# KiCad board q2v2.kicad_pcb (continued)
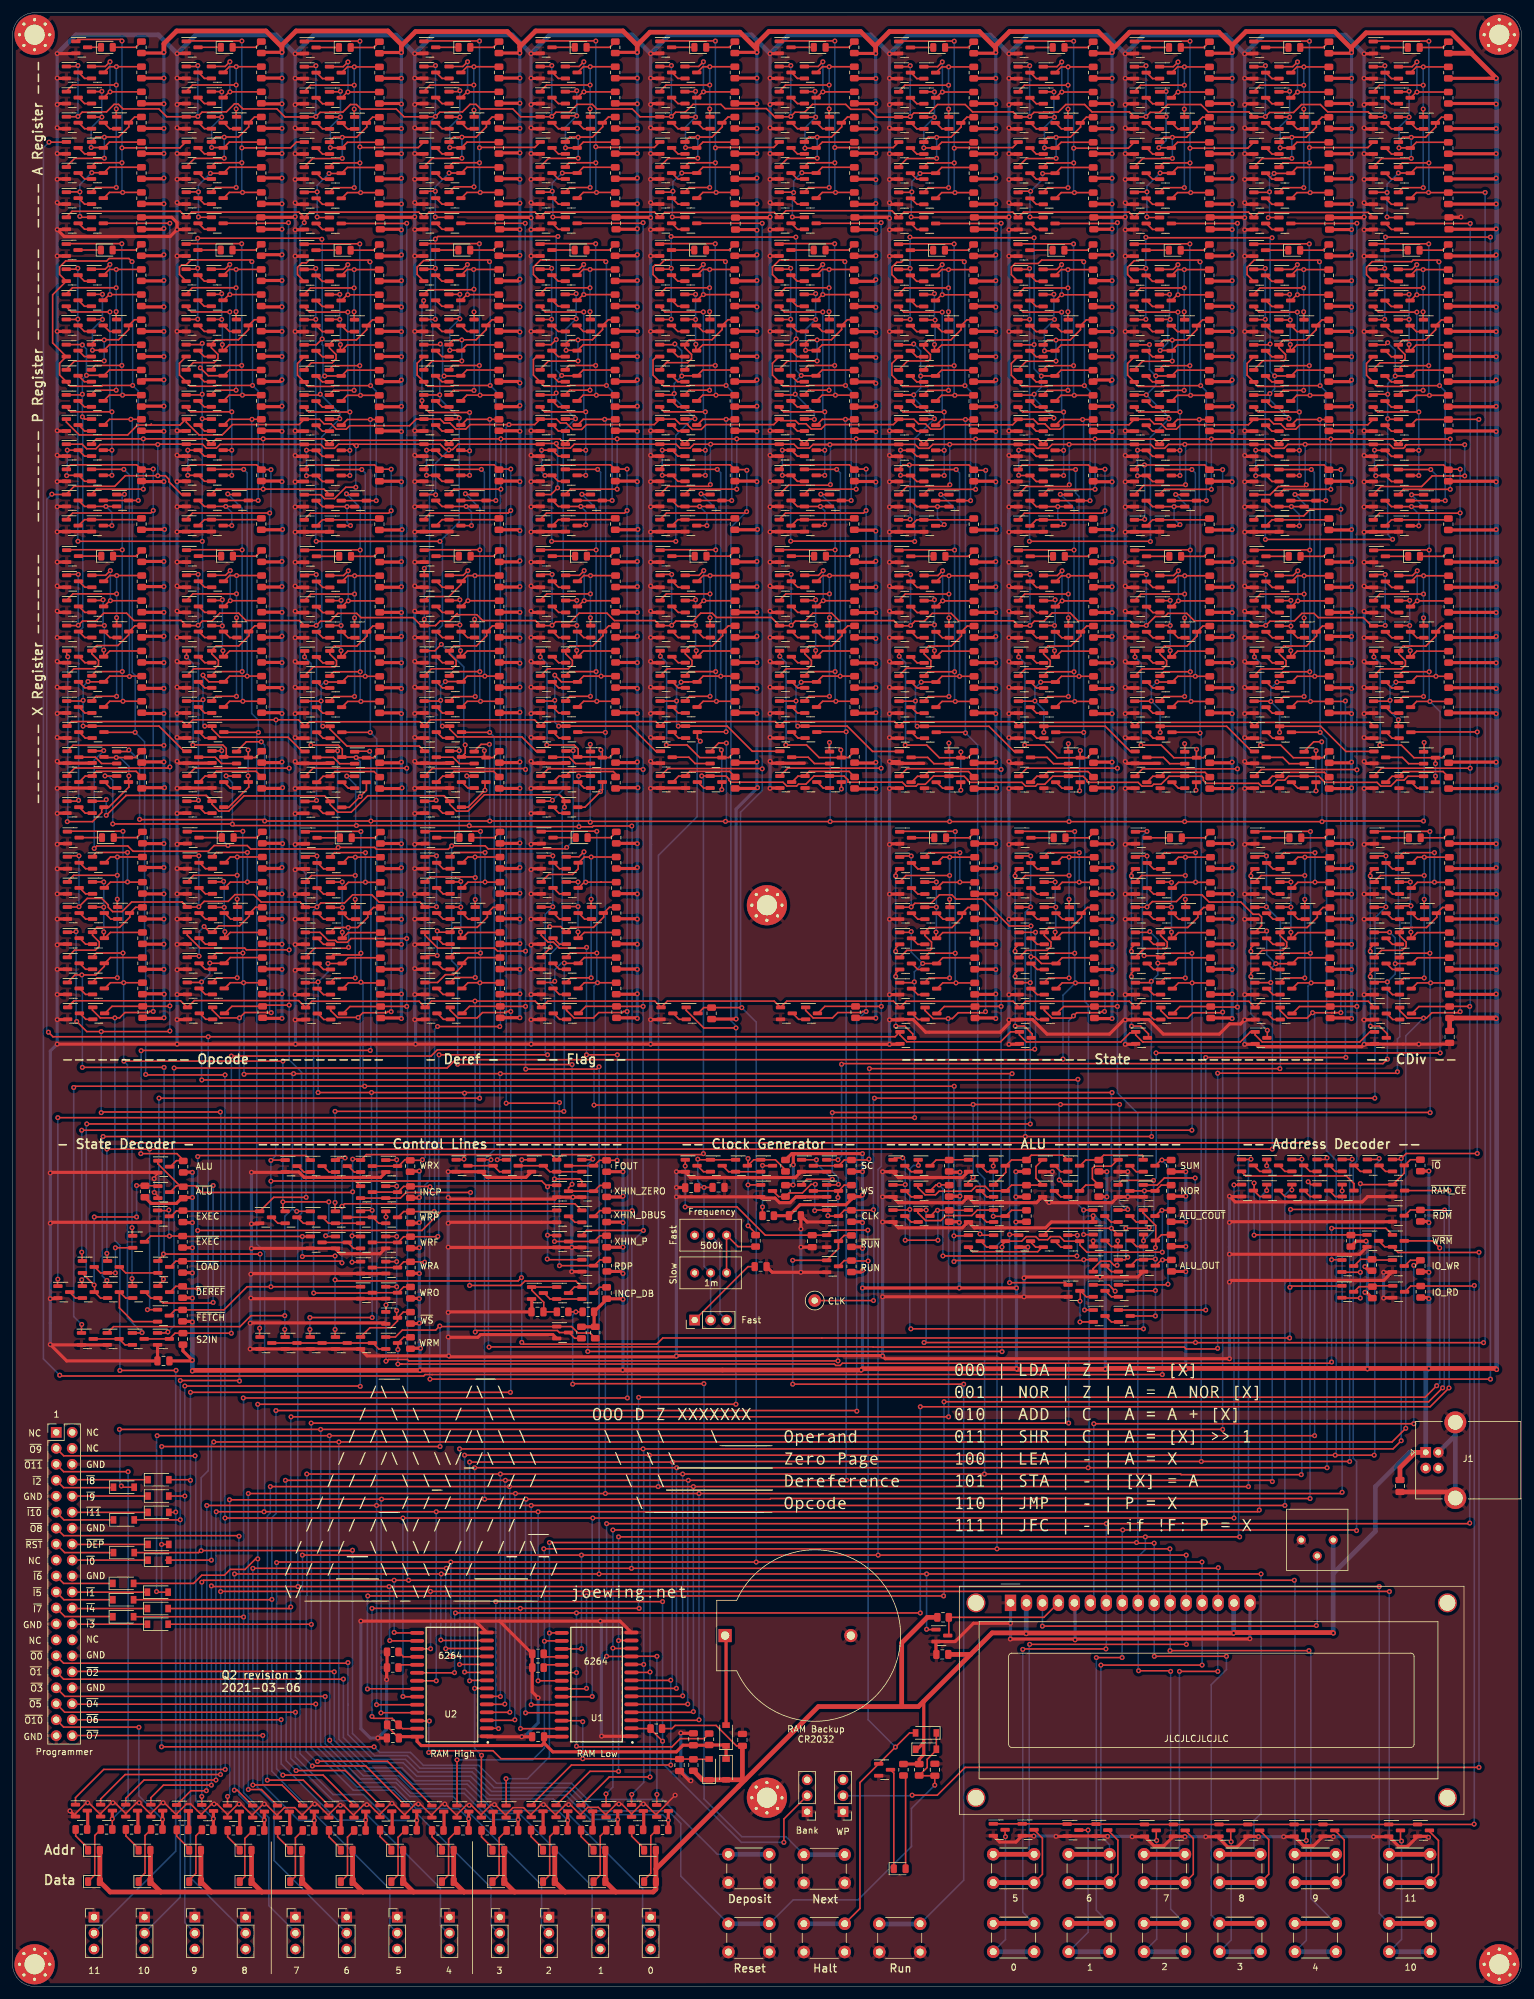
[diagram p0: board, top side]
## Routing (per net, layer and track width the routed paths; a pad name or vN(x,y) marks a point on that pad's centre or on a via; arc(x,y) is an arc through that point) (continued)
  Top w0.25: 143,195.55 145.57,195.55 146.57,194.55 ; 146.54,194.55 148.9,194.55
Net-(Q271-Pad3): length 11
  Top w0.25: 143,191.6 143.95,192.55 145,192.55 145.75,193.29 152.06,193.29 R113.2
Net-(Q275-Pad1): length 39.6
  Top w0.25: v1(148.95,221.54) 142,221.54 140.95,220.49 ; R118.2 v1(148.96,224.45) 147.86,224.45 146.95,223.54 ; 144.95,204.49 145.7,205.24 v1(148.95,205.24) ; v1(148.95,217.74) 148.95,216.49
  Bottom w0.25: v1(148.96,224.45) 148.95,224.44 v1(148.95,221.54) v1(148.95,217.74) v1(148.95,205.24)
Net-(Q275-Pad2): length 2.4
  Top w0.25: 142.95,203.54 143.9,202.59 144.95,202.59
Net-(Q276-Pad1): length 18.8
  Top w0.25: 146.95,211.54 147.86,212.45 R120.2 ; v1(146.65,212.54) 146.65,211.77 Q287.3 ; Q276.1 146.51,220.49 v1(146.65,220.63) ; v1(146.65,216.63) 145.15,216.63
  Bottom w0.25: v1(146.65,220.63) v1(146.65,216.63) v1(146.65,212.54)
Net-(Q276-Pad2): length 2.4
  Top w0.25: 142.95,219.54 143.9,218.59 144.95,218.59
Net-(Q276-Pad3): length 14.5
  Top w0.25: 144.95,224.49 147.2,224.49 v1(147.95,225.24) ; 146.95,219.54 147.86,220.45 v1(147.96,220.45) R115.2
  Bottom w0.25: v1(147.96,220.45) 147.95,220.46 v1(147.95,225.24)
Net-(Q280-Pad2): length 2.4
  Top w0.25: 144.95,206.59 143.9,206.59 142.95,207.54
Net-(Q281-Pad2): length 2.4
  Top w0.25: 144.95,222.59 143.9,222.59 142.95,223.54
Net-(Q282-Pad1): length 18.8
  Top w0.25: 147.08,213.26 145.73,213.26 144.95,212.49 ; 147.08,213.26 149.32,213.26 150.95,214.89 150.95,215.54 151.86,216.45 R119.2 ; 147.08,213.26 147.05,213.24 ; 140.95,208.49 142.19,209.73 145.95,209.73 146.08,209.85 146.08,210.94 145.01,212 Q287.1
Net-(Q284-Pad2): length 2.4
  Top w0.25: 146.95,215.54 147.9,214.59 148.95,214.59
Net-(Q285-Pad2): length 2.4
  Top w0.25: 142.95,215.54 143.9,214.59 144.95,214.59
Net-(Q287-Pad2): length 2.4
  Top w0.25: 142.95,211.54 143.9,210.59 144.95,210.59
Net-(Q289-Pad1): length 39.6
  Top w0.25: 145.06,159.71 145.81,160.46 v1(149.06,160.46) ; v1(149.06,172.96) 149.06,171.71 ; 141.06,175.71 142.11,176.76 v1(149.06,176.76) ; R125.2 v1(149.07,179.67) 147.97,179.67 147.06,178.76
  Bottom w0.25: v1(149.07,179.67) 149.06,179.66 v1(149.06,176.76) v1(149.06,172.96) v1(149.06,160.46)
Net-(Q289-Pad2): length 2.4
  Top w0.25: 145.06,157.81 144.01,157.81 143.06,158.76
Net-(Q290-Pad1): length 18.9
  Top w0.25: 147.06,166.76 147.97,167.67 R127.2 ; Q290.1 146.93,175.71 v1(146.95,175.73) ; v1(146.95,171.73) 145.14,171.73 ; v1(146.9,167.76) 146.9,166.85
  Bottom w0.25: v1(146.95,175.73) v1(146.95,171.73) 146.95,167.81 v1(146.9,167.76)
Net-(Q290-Pad2): length 2.4
  Top w0.25: 143.06,174.76 144.01,173.81 145.06,173.81
Net-(Q290-Pad3): length 17.1
  Top w0.25: 150.67,175.67 150.67,175.68 v1(150.69,175.7) 150.66,175.7 150.63,175.67 ; 150.67,175.67 R122.2 ; 150.67,175.67 150.63,175.67 ; 147.06,174.76 147.97,175.67 150.63,175.67 ; v1(150.69,180.39) 145.75,180.39 145.06,179.71
  Bottom w0.25: v1(150.69,175.7) v1(150.69,180.39)
Net-(Q294-Pad2): length 2.4
  Top w0.25: 145.06,161.81 144.01,161.81 143.06,162.76
Net-(Q295-Pad2): length 2.4
  Top w0.25: 143.06,178.76 144.01,177.81 145.06,177.81
Net-(Q296-Pad1): length 18.7
  Top w0.25: 145.06,167.71 145.84,168.48 149.44,168.48 151.06,170.11 151.06,170.76 151.97,171.67 R126.2 ; Q296.1 142.26,164.84 145.97,164.84 146.19,165.06 146.19,166.16 145.12,167.22 Q301.1
Net-(Q298-Pad2): length 2.4
  Top w0.25: 149.06,169.81 148.01,169.81 147.06,170.76
Net-(Q299-Pad2): length 2.4
  Top w0.25: 143.06,170.76 144.01,169.81 145.06,169.81
Net-(Q301-Pad2): length 2.4
  Top w0.25: 143.06,166.76 144.01,165.81 145.06,165.81
Net-(Q305-Pad2): length 6.4
  Top w0.25: 112.95,130.58 113.9,129.63 118.95,129.63
Net-(Q305-Pad3): length 22.4
  Top w0.25: 118.2,119.83 v1(117,121.03) ; v1(117,131.73) 117,130.63 ; Q306.1 121.35,131.53 122.95,129.92 ; 118.95,131.53 117.9,131.53 116.95,130.58 ; v1(117,127.53) 118.95,127.53
  Bottom w0.25: v1(117,121.03) v1(117,127.53) v1(117,131.73)
Net-(Q306-Pad3): length 9.6
  Top w0.25: Q306.3 119.35,130.58 v1(119.3,130.63) ; v1(119.3,124.03) 119.29,124.01 R134.2
  Bottom w0.25: v1(119.3,130.63) v1(119.3,124.03)
Net-(Q307-Pad3): length 14.1
  Top w0.25: v1(127.6,123.43) 127.7,123.53 129.45,123.53 ; 120.95,126.58 121.86,125.66 R131.2 123.54,126.25 125.65,126.25 127.02,127.63 v1(127.7,127.63)
  Bottom w0.25: v1(127.6,123.43) 127.6,127.53 v1(127.7,127.63)
Net-(Q309-Pad2): length 2.4
  Top w0.25: 110.95,129.63 109.9,129.63 108.95,130.58
Net-(Q316-Pad2): length 2.4
  Top w0.25: 48.55,154.8 49.5,153.85 50.55,153.85
Net-(Q318-Pad2): length 2.4
  Top w0.25: 48.35,248.4 49.3,247.45 50.35,247.45
Net-(Q320-Pad2): length 12
  Top w0.25: 48.35,244.4 49.3,243.45 50.35,243.45 ; 48.35,240.4 49.3,239.45 50.35,239.45 ; Q325.3 46.8,240.4 v1(46.75,240.35) ; Q324.3 46.78,244.4 v1(46.75,244.43)
  Bottom w0.25: v1(46.75,240.35) v1(46.75,244.43)
Net-(Q322-Pad2): length 11
  Top w0.25: 48.35,236.4 49.3,235.45 v1(53.2,235.45) 54.35,235.45 ; v1(53.75,232.43) 52.38,232.43
  Bottom w0.25: v1(53.75,232.43) 53.2,232.98 v1(53.2,235.45)
Net-(Q327-Pad1): length 10.2
  Top w0.25: 48.35,232.4 49.3,233.35 58.14,233.35
Net-(Q329-Pad1): length 39.6
  Top w0.25: 52.33,272.24 53.24,273.15 v1(54.34,273.15) R146.2 ; v1(54.33,253.94) 51.08,253.94 50.33,253.19 ; v1(54.33,266.44) 54.33,265.19 ; 46.33,269.19 47.38,270.24 v1(54.33,270.24)
  Bottom w0.25: v1(54.33,253.94) v1(54.33,266.44) v1(54.33,270.24) 54.33,273.14 v1(54.34,273.15)
Net-(Q329-Pad2): length 2.4
  Top w0.25: 48.33,252.24 49.28,251.29 50.33,251.29
Net-(Q330-Pad1): length 18.6
  Top w0.25: 52.33,260.24 53.24,261.15 R148.2 ; v1(52.05,265.23) 50.43,265.23 ; v1(52.05,269.23) 52.02,269.19 Q330.1 ; v1(52.15,261.23) 52.15,260.36
  Bottom w0.25: v1(52.15,261.23) 52.15,265.13 v1(52.05,265.23) v1(52.05,269.23)
Net-(Q330-Pad2): length 2.4
  Top w0.25: 48.33,268.24 49.28,267.29 50.33,267.29
Net-(Q330-Pad3): length 14.5
  Top w0.25: 52.33,268.24 53.24,269.15 v1(53.34,269.15) R143.2 ; v1(53.33,273.94) 52.58,273.19 50.33,273.19
  Bottom w0.25: v1(53.33,273.94) 53.33,269.17 v1(53.34,269.15)
Net-(Q334-Pad2): length 2.4
  Top w0.25: 48.33,256.24 49.28,255.29 50.33,255.29
Net-(Q335-Pad2): length 2.4
  Top w0.25: 48.33,272.24 49.28,271.29 50.33,271.29
Net-(Q336-Pad1): length 18.5
  Top w0.25: R147.2 57.24,265.15 56.33,264.24 56.33,263.59 54.7,261.97 51.11,261.97 50.33,261.19 ; Q341.1 50.39,260.71 51.46,259.64 51.46,258.94 50.84,258.33 47.53,258.33 Q336.1
Net-(Q338-Pad2): length 2.4
  Top w0.25: 52.33,264.24 53.28,263.29 54.33,263.29
Net-(Q339-Pad2): length 2.4
  Top w0.25: 48.33,264.24 49.28,263.29 50.33,263.29
Net-(Q341-Pad2): length 2.4
  Top w0.25: 48.33,260.24 49.28,259.29 50.33,259.29
Net-(Q343-Pad2): length 2.4
  Top w0.25: 48.35,280.5 49.3,279.55 50.35,279.55
Net-(Q345-Pad1): length 39.6
  Top w0.25: 52.35,304.5 53.26,305.41 v1(54.36,305.41) R153.2 ; v1(54.35,286.2) 51.1,286.2 50.35,285.45 ; v1(54.35,298.7) 54.35,297.45 ; 46.35,301.45 47.4,302.5 v1(54.35,302.5)
  Bottom w0.25: v1(54.35,286.2) v1(54.35,298.7) v1(54.35,302.5) 54.35,305.4 v1(54.36,305.41)
Net-(Q345-Pad2): length 2.4
  Top w0.25: 48.35,284.5 49.3,283.55 50.35,283.55
Net-(Q346-Pad1): length 21.2
  Top w0.25: 52.35,292.5 53.26,293.41 R155.2 ; v1(52.15,297.43) 50.43,297.43 ; Q346.1 52.07,301.45 v1(52.15,301.53) ; v1(50.55,292.55) 52.24,292.55
  Bottom w0.25: v1(52.15,301.53) v1(52.15,297.43) 50.55,295.83 v1(50.55,292.55)
Net-(Q346-Pad2): length 2.4
  Top w0.25: 48.35,300.5 49.3,299.55 50.35,299.55
Net-(Q346-Pad3): length 14.5
  Top w0.25: 52.35,300.5 53.26,301.41 v1(53.36,301.41) R150.2 ; v1(53.35,306.2) 52.6,305.45 50.35,305.45
  Bottom w0.25: v1(53.35,306.2) 53.35,301.42 v1(53.36,301.41)
Net-(Q350-Pad2): length 2.4
  Top w0.25: 48.35,288.5 49.3,287.55 50.35,287.55
Net-(Q351-Pad2): length 2.4
  Top w0.25: 48.35,304.5 49.3,303.55 50.35,303.55
Net-(Q352-Pad1): length 20.1
  Top w0.25: R154.2 57.26,297.41 56.35,296.5 56.35,295.85 54.72,294.22 52.48,294.22 ; 50.35,293.45 51.13,294.22 52.48,294.22 ; 52.48,294.22 v1(52.45,294.2) ; 46.35,289.45 47.72,290.82 52.41,290.82 v1(52.45,290.86)
  Bottom w0.25: v1(52.45,294.2) v1(52.45,290.86)
Net-(Q354-Pad2): length 2.4
  Top w0.25: 52.35,296.5 53.3,295.55 54.35,295.55
Net-(Q355-Pad2): length 2.4
  Top w0.25: 48.35,296.5 49.3,295.55 50.35,295.55
Net-(Q357-Pad2): length 2.4
  Top w0.25: 48.35,292.5 49.3,291.55 50.35,291.55
Net-(Q359-Pad2): length 2.3
  Top w0.25: 52.45,191.6 53.4,190.65 54.35,190.65
Net-(Q360-Pad2): length 2.4
  Top w0.25: 48.45,199.55 49.4,198.6 50.45,198.6
Net-(Q361-Pad2): length 2.4
  Top w0.25: 48.45,187.6 49.4,186.65 50.45,186.65
Net-(Q362-Pad2): length 6.4
  Top w0.25: 51.99,194.55 54.35,194.55 ; 52.03,194.55 51.03,195.55 48.45,195.55
Net-(Q364-Pad1): length 11
  Top w0.25: 48.45,191.6 49.4,192.55 50.45,192.55 ; Q364.1 51.26,193.29 57.51,193.29 R157.2
Net-(Q369-Pad1): length 39.6
  Top w0.25: 52.4,223.54 53.31,224.45 v1(54.41,224.45) R162.2 ; v1(54.4,205.24) 51.15,205.24 50.4,204.49 ; v1(54.4,217.74) 54.4,216.49 ; 46.4,220.49 47.45,221.54 v1(54.4,221.54)
  Bottom w0.25: v1(54.4,205.24) v1(54.4,217.74) v1(54.4,221.54) 54.4,224.44 v1(54.41,224.45)
Net-(Q369-Pad2): length 2.4
  Top w0.25: 48.4,203.54 49.35,202.59 50.4,202.59
Net-(Q370-Pad1): length 18.8
  Top w0.25: 52.4,211.54 53.31,212.45 R164.2 ; v1(52.25,212.53) 52.25,211.62 ; Q370.1 52.21,220.49 v1(52.25,220.53) ; v1(52.25,216.53) 50.5,216.53
  Bottom w0.25: v1(52.25,212.53) v1(52.25,216.53) v1(52.25,220.53)
Net-(Q370-Pad2): length 2.4
  Top w0.25: 48.4,219.54 49.35,218.59 50.4,218.59
Net-(Q370-Pad3): length 14.5
  Top w0.25: 52.4,219.54 53.31,220.45 v1(53.41,220.45) R159.2 ; v1(53.4,225.24) 52.65,224.49 50.4,224.49
  Bottom w0.25: v1(53.4,225.24) 53.4,220.46 v1(53.41,220.45)
Net-(Q374-Pad2): length 2.4
  Top w0.25: 48.4,207.54 49.35,206.59 50.4,206.59
Net-(Q375-Pad2): length 2.4
  Top w0.25: 48.4,223.54 49.35,222.59 50.4,222.59
Net-(Q376-Pad1): length 18.6
  Top w0.25: R163.2 57.31,216.45 56.4,215.54 56.4,214.89 54.78,213.26 51.18,213.26 50.4,212.49 ; 46.4,208.49 47.87,209.96 51.25,209.96 51.53,210.24 51.53,210.94 50.46,212 Q381.1
Net-(Q378-Pad2): length 2.4
  Top w0.25: 52.4,215.54 53.35,214.59 54.4,214.59
Net-(Q379-Pad2): length 2.4
  Top w0.25: 48.4,215.54 49.35,214.59 50.4,214.59
Net-(Q381-Pad2): length 2.4
  Top w0.25: 48.4,211.54 49.35,210.59 50.4,210.59
Net-(Q383-Pad1): length 39.6
  Top w0.25: 52.51,178.76 53.42,179.67 v1(54.52,179.67) R169.2 ; v1(54.51,160.46) 51.26,160.46 50.51,159.71 ; v1(54.51,172.96) 54.51,171.71 ; 46.51,175.71 47.56,176.76 v1(54.51,176.76)
  Bottom w0.25: v1(54.51,160.46) v1(54.51,172.96) v1(54.51,176.76) 54.51,179.66 v1(54.52,179.67)
Net-(Q383-Pad2): length 2.4
  Top w0.25: 48.51,158.76 49.46,157.81 50.51,157.81
Net-(Q384-Pad1): length 19.1
  Top w0.25: 52.51,166.76 53.42,167.67 R171.2 ; Q384.1 52.43,175.71 v1(52.45,175.73) ; v1(52.45,171.66) 50.62,171.66 ; v1(52.45,167.73) 52.45,166.76
  Bottom w0.25: v1(52.45,175.73) v1(52.45,171.66) v1(52.45,167.73)
Net-(Q384-Pad2): length 2.4
  Top w0.25: 48.51,174.76 49.46,173.81 50.51,173.81
Net-(Q384-Pad3): length 17.1
  Top w0.25: 52.51,174.76 53.42,175.67 56.08,175.67 ; 56.12,175.67 56.12,175.68 v1(56.14,175.7) 56.11,175.7 56.08,175.67 ; 56.12,175.67 R166.2 ; 56.12,175.67 56.08,175.67 ; 50.51,179.71 51.2,180.39 v1(56.14,180.39)
  Bottom w0.25: v1(56.14,175.7) v1(56.14,180.39)
Net-(Q388-Pad2): length 2.4
  Top w0.25: 48.51,162.76 49.46,161.81 50.51,161.81
Net-(Q389-Pad2): length 2.4
  Top w0.25: 48.51,178.76 49.46,177.81 50.51,177.81
Net-(Q390-Pad1): length 20.8
  Top w0.25: R170.2 57.42,171.67 56.51,170.76 56.51,170.11 54.89,168.48 v1(53.39,168.48) 52.64,168.48 ; 50.51,167.71 51.29,168.48 52.64,168.48 ; 52.64,168.48 52.61,168.46 ; v1(53.45,165.33) 53.3,165.18 48.05,165.18 Q390.1
  Bottom w0.25: v1(53.45,165.33) 53.45,168.43 v1(53.39,168.48)
Net-(Q392-Pad2): length 2.4
  Top w0.25: 52.51,170.76 53.46,169.81 54.51,169.81
Net-(Q393-Pad2): length 2.4
  Top w0.25: 48.51,170.76 49.46,169.81 50.51,169.81
Net-(Q395-Pad2): length 2.4
  Top w0.25: 48.51,166.76 49.46,165.81 50.51,165.81
Net-(Q397-Pad2): length 2.4
  Top w0.25: 164.1,153.85 163.05,153.85 162.1,154.8
Net-(Q400-Pad2): length 2.4
  Top w0.25: 161.9,248.4 162.85,247.45 163.9,247.45
Net-(Q402-Pad2): length 12.4
  Top w0.25: 163.9,239.45 162.85,239.45 161.9,240.4 ; 163.9,243.45 162.85,243.45 161.9,244.4 ; v1(160.05,240.43) 160.08,240.4 Q407.3 ; v1(160.05,244.43) 160.08,244.4 Q406.3
  Bottom w0.25: v1(160.05,240.43) v1(160.05,244.43)
Net-(Q404-Pad2): length 11.1
  Top w0.25: 167.9,235.45 v1(166.27,235.45) 162.85,235.45 161.9,236.4 ; 165.9,232.4 167.02,232.4 167.25,232.62 v1(167.25,232.62)
  Bottom w0.25: v1(166.27,235.45) 166.27,233.6 v1(167.25,232.62)
Net-(Q409-Pad1): length 10.2
  Top w0.25: 171.69,233.35 162.85,233.35 161.9,232.4
Net-(Q411-Pad1): length 39.6
  Top w0.25: v1(167.88,270.24) 160.93,270.24 159.88,269.19 ; R180.2 v1(167.89,273.15) 166.79,273.15 165.88,272.24 ; 163.88,253.19 164.63,253.94 v1(167.88,253.94) ; v1(167.88,266.44) 167.88,265.19
  Bottom w0.25: v1(167.89,273.15) 167.88,273.14 v1(167.88,270.24) v1(167.88,266.44) v1(167.88,253.94)
Net-(Q411-Pad2): length 2.4
  Top w0.25: 163.88,251.29 162.83,251.29 161.88,252.24
Net-(Q412-Pad1): length 21.2
  Top w0.25: 165.88,260.24 166.79,261.15 R182.2 ; Q412.1 165.62,269.19 v1(165.65,269.23) ; v1(164.15,260.23) 165.8,260.23 ; v1(165.75,265.23) 163.98,265.23
  Bottom w0.25: v1(164.15,260.23) 164.15,263.63 v1(165.75,265.23) 165.65,265.33 v1(165.65,269.23)
Net-(Q412-Pad2): length 2.4
  Top w0.25: 163.88,267.29 162.83,267.29 161.88,268.24
Net-(Q412-Pad3): length 14.5
  Top w0.25: v1(166.88,273.94) 166.13,273.19 163.88,273.19 ; R177.2 v1(166.89,269.15) 166.79,269.15 165.88,268.24
  Bottom w0.25: v1(166.88,273.94) 166.88,269.17 v1(166.89,269.15)
Net-(Q416-Pad2): length 2.4
  Top w0.25: 161.88,256.24 162.83,255.29 163.88,255.29
Net-(Q417-Pad2): length 2.4
  Top w0.25: 163.88,271.29 162.83,271.29 161.88,272.24
Net-(Q418-Pad1): length 20.1
  Top w0.25: R181.2 170.79,265.15 169.88,264.24 169.88,263.59 168.25,261.97 166.01,261.97 ; v1(165.98,258.6) 165.94,258.57 161.25,258.57 159.88,257.19 ; 166.01,261.97 v1(165.98,261.94) ; 166.01,261.97 164.66,261.97 163.88,261.19
  Bottom w0.25: v1(165.98,261.94) v1(165.98,258.6)
Net-(Q420-Pad2): length 2.4
  Top w0.25: 167.88,263.29 166.83,263.29 165.88,264.24
Net-(Q421-Pad2): length 2.4
  Top w0.25: 163.88,263.29 162.83,263.29 161.88,264.24
Net-(Q423-Pad2): length 2.4
  Top w0.25: 161.88,260.24 162.83,259.29 163.88,259.29
Net-(Q425-Pad2): length 2.4
  Top w0.25: 163.9,279.55 162.85,279.55 161.9,280.5
Net-(Q427-Pad1): length 39.6
  Top w0.25: 159.9,301.45 160.95,302.5 v1(167.9,302.5) ; v1(167.9,298.7) 167.9,297.45 ; v1(167.9,286.2) 164.65,286.2 163.9,285.45 ; R187.2 v1(167.91,305.41) 166.81,305.41 165.9,304.5
  Bottom w0.25: v1(167.91,305.41) 167.9,305.4 v1(167.9,302.5) v1(167.9,298.7) v1(167.9,286.2)
Net-(Q427-Pad2): length 2.4
  Top w0.25: 163.9,283.55 162.85,283.55 161.9,284.5
Net-(Q428-Pad1): length 21.1
  Top w0.25: R189.2 166.81,293.41 165.9,292.5 ; v1(165.65,301.43) 165.63,301.45 Q428.1 ; v1(164.15,292.53) 165.81,292.53 ; v1(165.75,297.4) 164.01,297.4
  Bottom w0.25: v1(165.65,301.43) 165.65,297.5 v1(165.75,297.4) 164.15,295.8 v1(164.15,292.53)
Net-(Q428-Pad2): length 2.4
  Top w0.25: 163.9,299.55 162.85,299.55 161.9,300.5
Net-(Q428-Pad3): length 14.5
  Top w0.25: 163.9,305.45 166.15,305.45 v1(166.9,306.2) ; 165.9,300.5 166.81,301.41 v1(166.91,301.41) R184.2
  Bottom w0.25: v1(166.9,306.2) 166.9,301.42 v1(166.91,301.41)
Net-(Q432-Pad2): length 2.4
  Top w0.25: 163.9,287.55 162.85,287.55 161.9,288.5
Net-(Q433-Pad2): length 2.4
  Top w0.25: 163.9,303.55 162.85,303.55 161.9,304.5
Net-(Q434-Pad1): length 20.1
  Top w0.25: 166.03,294.22 168.28,294.22 169.9,295.85 169.9,296.5 170.81,297.41 R188.2 ; 166.03,294.22 164.68,294.22 163.9,293.45 ; 166.03,294.22 v1(166,294.2) ; v1(166,290.86) 165.96,290.82 161.27,290.82 159.9,289.45
  Bottom w0.25: v1(166,294.2) v1(166,290.86)
Net-(Q436-Pad2): length 2.4
  Top w0.25: 165.9,296.5 166.85,295.55 167.9,295.55
Net-(Q437-Pad2): length 2.4
  Top w0.25: 161.9,296.5 162.85,295.55 163.9,295.55
Net-(Q439-Pad2): length 2.4
  Top w0.25: 163.9,291.55 162.85,291.55 161.9,292.5
Net-(Q441-Pad2): length 2.3
  Top w0.25: 166,191.6 166.95,190.65 167.9,190.65
Net-(Q442-Pad2): length 2.4
  Top w0.25: 164,198.6 162.95,198.6 162,199.55
Net-(Q443-Pad2): length 6.4
  Top w0.25: 162,195.55 164.58,195.55 165.58,194.55 Q443.2
Net-(Q444-Pad3): length 11
  Top w0.25: R191.2 171.06,193.29 164.75,193.29 164,192.55 162.95,192.55 162,191.6
Net-(Q448-Pad1): length 39.6
  Top w0.25: v1(167.95,221.54) 161,221.54 159.95,220.49 ; v1(167.95,217.74) 167.95,216.49 ; R196.2 v1(167.96,224.45) 166.86,224.45 165.95,223.54 ; 163.95,204.49 164.7,205.24 v1(167.95,205.24)
  Bottom w0.25: v1(167.96,224.45) 167.95,224.44 v1(167.95,221.54) v1(167.95,217.74) v1(167.95,205.24)
Net-(Q448-Pad2): length 2.4
  Top w0.25: 163.95,202.59 162.9,202.59 161.95,203.54
Net-(Q449-Pad1): length 19
  Top w0.25: 165.95,211.54 166.86,212.45 R198.2 ; Q449.1 165.71,220.49 v1(165.85,220.63) ; v1(165.75,212.53) 165.75,211.67 ; v1(165.75,216.53) 164.05,216.53
  Bottom w0.25: v1(165.75,212.53) v1(165.75,216.53) 165.85,216.63 v1(165.85,220.63)
Net-(Q449-Pad2): length 2.4
  Top w0.25: 163.95,218.59 162.9,218.59 161.95,219.54
Net-(Q449-Pad3): length 14.5
  Top w0.25: R193.2 v1(166.96,220.45) 166.86,220.45 165.95,219.54 ; 163.95,224.49 166.2,224.49 v1(166.95,225.24)
  Bottom w0.25: v1(166.96,220.45) 166.95,220.46 v1(166.95,225.24)
Net-(Q453-Pad2): length 2.4
  Top w0.25: 163.95,206.59 162.9,206.59 161.95,207.54
Net-(Q454-Pad2): length 2.4
  Top w0.25: 161.95,223.54 162.9,222.59 163.95,222.59
Net-(Q455-Pad1): length 18.6
  Top w0.25: 163.95,212.49 164.73,213.26 168.32,213.26 169.95,214.89 169.95,215.54 170.86,216.45 R197.2 ; 159.95,208.49 161.09,209.62 164.46,209.62 165.08,210.24 165.08,210.94 164.01,212 Q460.1
Net-(Q457-Pad2): length 2.4
  Top w0.25: 167.95,214.59 166.9,214.59 165.95,215.54
Net-(Q458-Pad2): length 2.4
  Top w0.25: 161.95,215.54 162.9,214.59 163.95,214.59
Net-(Q460-Pad2): length 2.4
  Top w0.25: 161.95,211.54 162.9,210.59 163.95,210.59
Net-(Q462-Pad1): length 39.6
  Top w0.25: R203.2 v1(168.07,179.67) 166.97,179.67 166.06,178.76 ; v1(168.06,176.76) 161.11,176.76 160.06,175.71 ; 164.06,159.71 164.81,160.46 v1(168.06,160.46) ; v1(168.06,172.96) 168.06,171.71
  Bottom w0.25: v1(168.06,160.46) v1(168.06,172.96) v1(168.06,176.76) 168.06,179.66 v1(168.07,179.67)
Net-(Q462-Pad2): length 2.4
  Top w0.25: 162.06,158.76 163.01,157.81 164.06,157.81
Net-(Q463-Pad1): length 18.8
  Top w0.25: 166.06,166.76 166.97,167.67 R205.2 ; v1(165.85,167.76) 165.85,166.9 ; v1(165.95,171.73) 164.14,171.73 ; Q463.1 165.83,175.71 v1(165.85,175.73)
  Bottom w0.25: v1(165.85,167.76) 165.95,167.86 v1(165.95,171.73) 165.85,171.83 v1(165.85,175.73)
Net-(Q463-Pad2): length 2.4
  Top w0.25: 162.06,174.76 163.01,173.81 164.06,173.81
Net-(Q463-Pad3): length 17.1
  Top w0.25: 164.06,179.71 164.75,180.39 v1(169.69,180.39) ; 169.63,175.67 166.97,175.67 166.06,174.76 ; 169.63,175.67 169.66,175.7 v1(169.69,175.7) 169.67,175.68 169.67,175.67 ; 169.63,175.67 169.67,175.67 ; R200.2 169.67,175.67
  Bottom w0.25: v1(169.69,175.7) v1(169.69,180.39)
Net-(Q467-Pad2): length 2.4
  Top w0.25: 164.06,161.81 163.01,161.81 162.06,162.76
Net-(Q468-Pad2): length 2.4
  Top w0.25: 164.06,177.81 163.01,177.81 162.06,178.76
Net-(Q469-Pad1): length 18.5
  Top w0.25: R204.2 170.97,171.67 170.06,170.76 170.06,170.11 168.44,168.48 164.84,168.48 164.06,167.71 ; Q474.1 164.12,167.22 165.19,166.16 165.19,165.46 164.57,164.84 161.26,164.84 Q469.1
Net-(Q471-Pad2): length 2.4
  Top w0.25: 168.06,169.81 167.01,169.81 166.06,170.76
Net-(Q472-Pad2): length 2.4
  Top w0.25: 164.06,169.81 163.01,169.81 162.06,170.76
Net-(Q474-Pad2): length 2.4
  Top w0.25: 162.06,166.76 163.01,165.81 164.06,165.81
Net-(Q476-Pad2): length 2.4
  Top w0.25: 156,121.63 154.95,121.63 154,122.58
Net-(Q476-Pad3): length 14.6
  Top w0.25: R206.2 158.91,123.49 158,122.58 ; v1(156,130.53) 156.06,130.59 Q479.1 ; v1(156,122.53) 157.89,122.53
  Bottom w0.25: v1(156,130.53) v1(156,122.53)
Net-(Q477-Pad1): length 33.3
  Top w0.25: 151.96,123.49 v1(147.14,123.49) 146.91,123.49 146,122.58 ; 140,131.53 140.3,131.83 v1(141.6,131.83) ; v1(142,127.58) 141.95,127.53 140,127.53 ; v1(142,118.73) v1(147.2,118.73)
  Bottom w0.25: v1(147.14,123.49) 147.2,123.43 v1(147.2,118.73) ; v1(142,118.73) v1(142,127.58) 142,131.43 v1(141.6,131.83)
Net-(Q478-Pad2): length 2.4
  Top w0.25: 142,122.58 142.95,121.63 144,121.63
Net-(Q479-Pad2): length 2.4
  Top w0.25: 156,129.63 154.95,129.63 154,130.58
Net-(Q479-Pad3): length 14.7
  Top w0.25: 167.8,131.53 167.07,132.25 162.06,132.25 R208.2 158.91,131.49 158,130.58 158,129.53 156,127.53
Net-(Q481-Pad1): length 6.3
  Top w0.25: 146,130.58 146.91,131.49 R209.2 ; 152,131.53 149.04,131.53
Net-(Q482-Pad2): length 2.4
  Top w0.25: 144,129.63 142.95,129.63 142,130.58
Net-(Q484-Pad2): length 2.4
  Top w0.25: 165.8,130.58 166.75,129.63 167.8,129.63
Net-(Q484-Pad3): length 11.4
  Top w0.25: 169.8,130.58 170.71,131.49 R210.2 173.56,132.25 179.72,132.25 179.8,132.18 179.8,131.53
Net-(Q485-Pad1): length 27.2
  Top w0.25: Q497.1 162.8,128.59 162.8,130.46 Q486.1 ; 163.76,127.49 R212.2 158.91,127.49 158,126.58 155.44,126.58 154.71,127.3 153.25,127.3 152.51,126.56 152.51,126.53 147.39,126.53 146.81,125.95 145.15,125.95 144.06,127.04 Q485.1 ; 144,127.53 144,127.1
Net-(Q485-Pad2): length 2.4
  Top w0.25: 144,125.63 142.95,125.63 142,126.58
Net-(Q485-Pad3): length 41.1
  Top w0.25: v1(169.3,116.23) v1(148,116.23) ; v1(169.38,119.51) 169.37,119.53 Q495.1 ; Q485.3 146.89,127.53 v1(147.4,127.53) 148.96,127.53
  Bottom w0.25: v1(147.4,127.53) 148,126.93 v1(148,116.23) ; v1(169.3,116.23) 169.38,116.31 v1(169.38,119.51)
Net-(Q487-Pad2): length 2.4
  Top w0.25: 156,125.63 154.95,125.63 154,126.58
Net-(Q488-Pad2): length 2.4
  Top w0.25: 177.8,130.58 178.75,129.63 179.8,129.63
Net-(Q491-Pad1): length 11.1
  Top w0.25: 175.8,131.53 174.78,130.5 172.11,130.5 171.77,130.16 171.77,128.51 R216.2 170.71,127.49 169.8,126.58
Net-(Q493-Pad2): length 2.4
  Top w0.25: 167.8,125.63 166.75,125.63 165.8,126.58
Net-(Q494-Pad2): length 2.4
  Top w0.25: 179.8,121.63 178.75,121.63 177.8,122.58
Net-(Q495-Pad2): length 2.4
  Top w0.25: 165.8,118.58 166.75,117.63 167.8,117.63
Net-(Q496-Pad2): length 2.4
  Top w0.25: 154,118.58 154.95,117.63 156,117.63
Net-(Q498-Pad2): length 2.4
  Top w0.25: 175.8,121.63 174.75,121.63 173.8,122.58
Net-(Q499-Pad2): length 14.8
  Top w0.25: 152,117.63 152.73,116.9 163.07,116.9 163.8,117.63 162.75,117.63 161.8,118.58
Net-(Q501-Pad2): length 2.4
  Top w0.25: 177.85,118.68 178.8,117.73 179.85,117.73
Net-(Q502-Pad2): length 2.4
  Top w0.25: 173.85,114.68 174.8,113.73 175.85,113.73
Net-(Q503-Pad2): length 2.4
  Top w0.25: 173.85,110.68 174.8,109.73 175.85,109.73
Net-(Q504-Pad2): length 2.4
  Top w0.25: 175.85,105.73 174.8,105.73 173.85,106.68
Net-(Q506-Pad2): length 12.7
  Top w0.25: v1(175.7,114.73) 175.24,114.73 174.56,115.4 173.1,115.4 171.91,114.21 Q507.2 ; 171.85,114.11 171.85,113.73 ; 173.85,118.68 174.8,117.73 175.85,117.73 175.85,118.58 v1(175.8,118.63)
  Bottom w0.25: v1(175.7,114.73) 175.8,114.83 v1(175.8,118.63)
Net-(Q508-Pad2): length 9.4
  Top w0.25: 171.85,105.73 v1(169.8,105.73) ; 171.85,109.73 170.8,109.73 169.85,110.68 169.85,109.09 v1(169.8,109.04)
  Bottom w0.25: v1(169.8,105.73) v1(169.8,109.04)
Net-(Q515-Pad2): length 2.4
  Top w0.25: 67.58,154.82 68.53,153.87 69.58,153.87
Net-(Q517-Pad2): length 2.4
  Top w0.25: 67.38,248.42 68.33,247.47 69.38,247.47
Net-(Q519-Pad2): length 11.7
  Top w0.25: 67.38,244.42 68.33,243.47 69.38,243.47 ; 67.38,240.42 68.33,239.47 69.38,239.47 ; v1(65.85,240.43) 65.86,240.42 Q524.3 ; v1(65.85,244.43) 65.86,244.42 Q523.3
  Bottom w0.25: v1(65.85,240.43) v1(65.85,244.43)
Net-(Q521-Pad2): length 11.5
  Top w0.25: 67.38,236.42 68.33,235.47 v1(72.16,235.47) 73.38,235.47 ; Q526.3 73,232.42 v1(73,232.43) ; 72.75,232.42 72.75,232.43
  Bottom w0.25: v1(73,232.43) 73,234.63 v1(72.16,235.47)
Net-(Q526-Pad1): length 10.2
  Top w0.25: 67.38,232.42 68.33,233.37 77.16,233.37
Net-(Q528-Pad1): length 39.5
  Top w0.25: 71.36,272.27 72.27,273.18 v1(73.35,273.18) R227.2 ; v1(73.4,266.43) 73.42,266.41 Q537.1 ; v1(73.4,270.03) 73.33,269.95 66.15,269.95 Q531.1 ; Q528.1 70.13,253.93 v1(73.4,253.93)
  Bottom w0.25: v1(73.4,253.93) 73.43,253.95 73.43,266.4 v1(73.4,266.43) v1(73.4,270.03) 73.4,273.13 v1(73.35,273.18)
Net-(Q528-Pad2): length 2.4
  Top w0.25: 67.36,252.27 68.31,251.32 69.36,251.32
Net-(Q529-Pad1): length 21
  Top w0.25: 71.36,260.27 72.27,261.18 R229.2 ; v1(71.15,269.23) 71.14,269.22 Q529.1 ; v1(71.15,265.33) 69.53,265.33 ; v1(69.55,260.32) 71.24,260.32
  Bottom w0.25: v1(69.55,260.32) 69.55,263.73 v1(71.15,265.33) v1(71.15,269.23)
Net-(Q529-Pad2): length 2.4
  Top w0.25: 67.36,268.27 68.31,267.32 69.36,267.32
Net-(Q529-Pad3): length 14.5
  Top w0.25: 71.36,268.27 72.27,269.18 v1(72.37,269.18) R224.2 ; v1(72.36,273.97) 71.61,273.22 69.36,273.22
  Bottom w0.25: v1(72.36,273.97) 72.36,269.19 v1(72.37,269.18)
